# Altium PCB GSM_v2.PcbDoc (part 1 of 2) (continued)
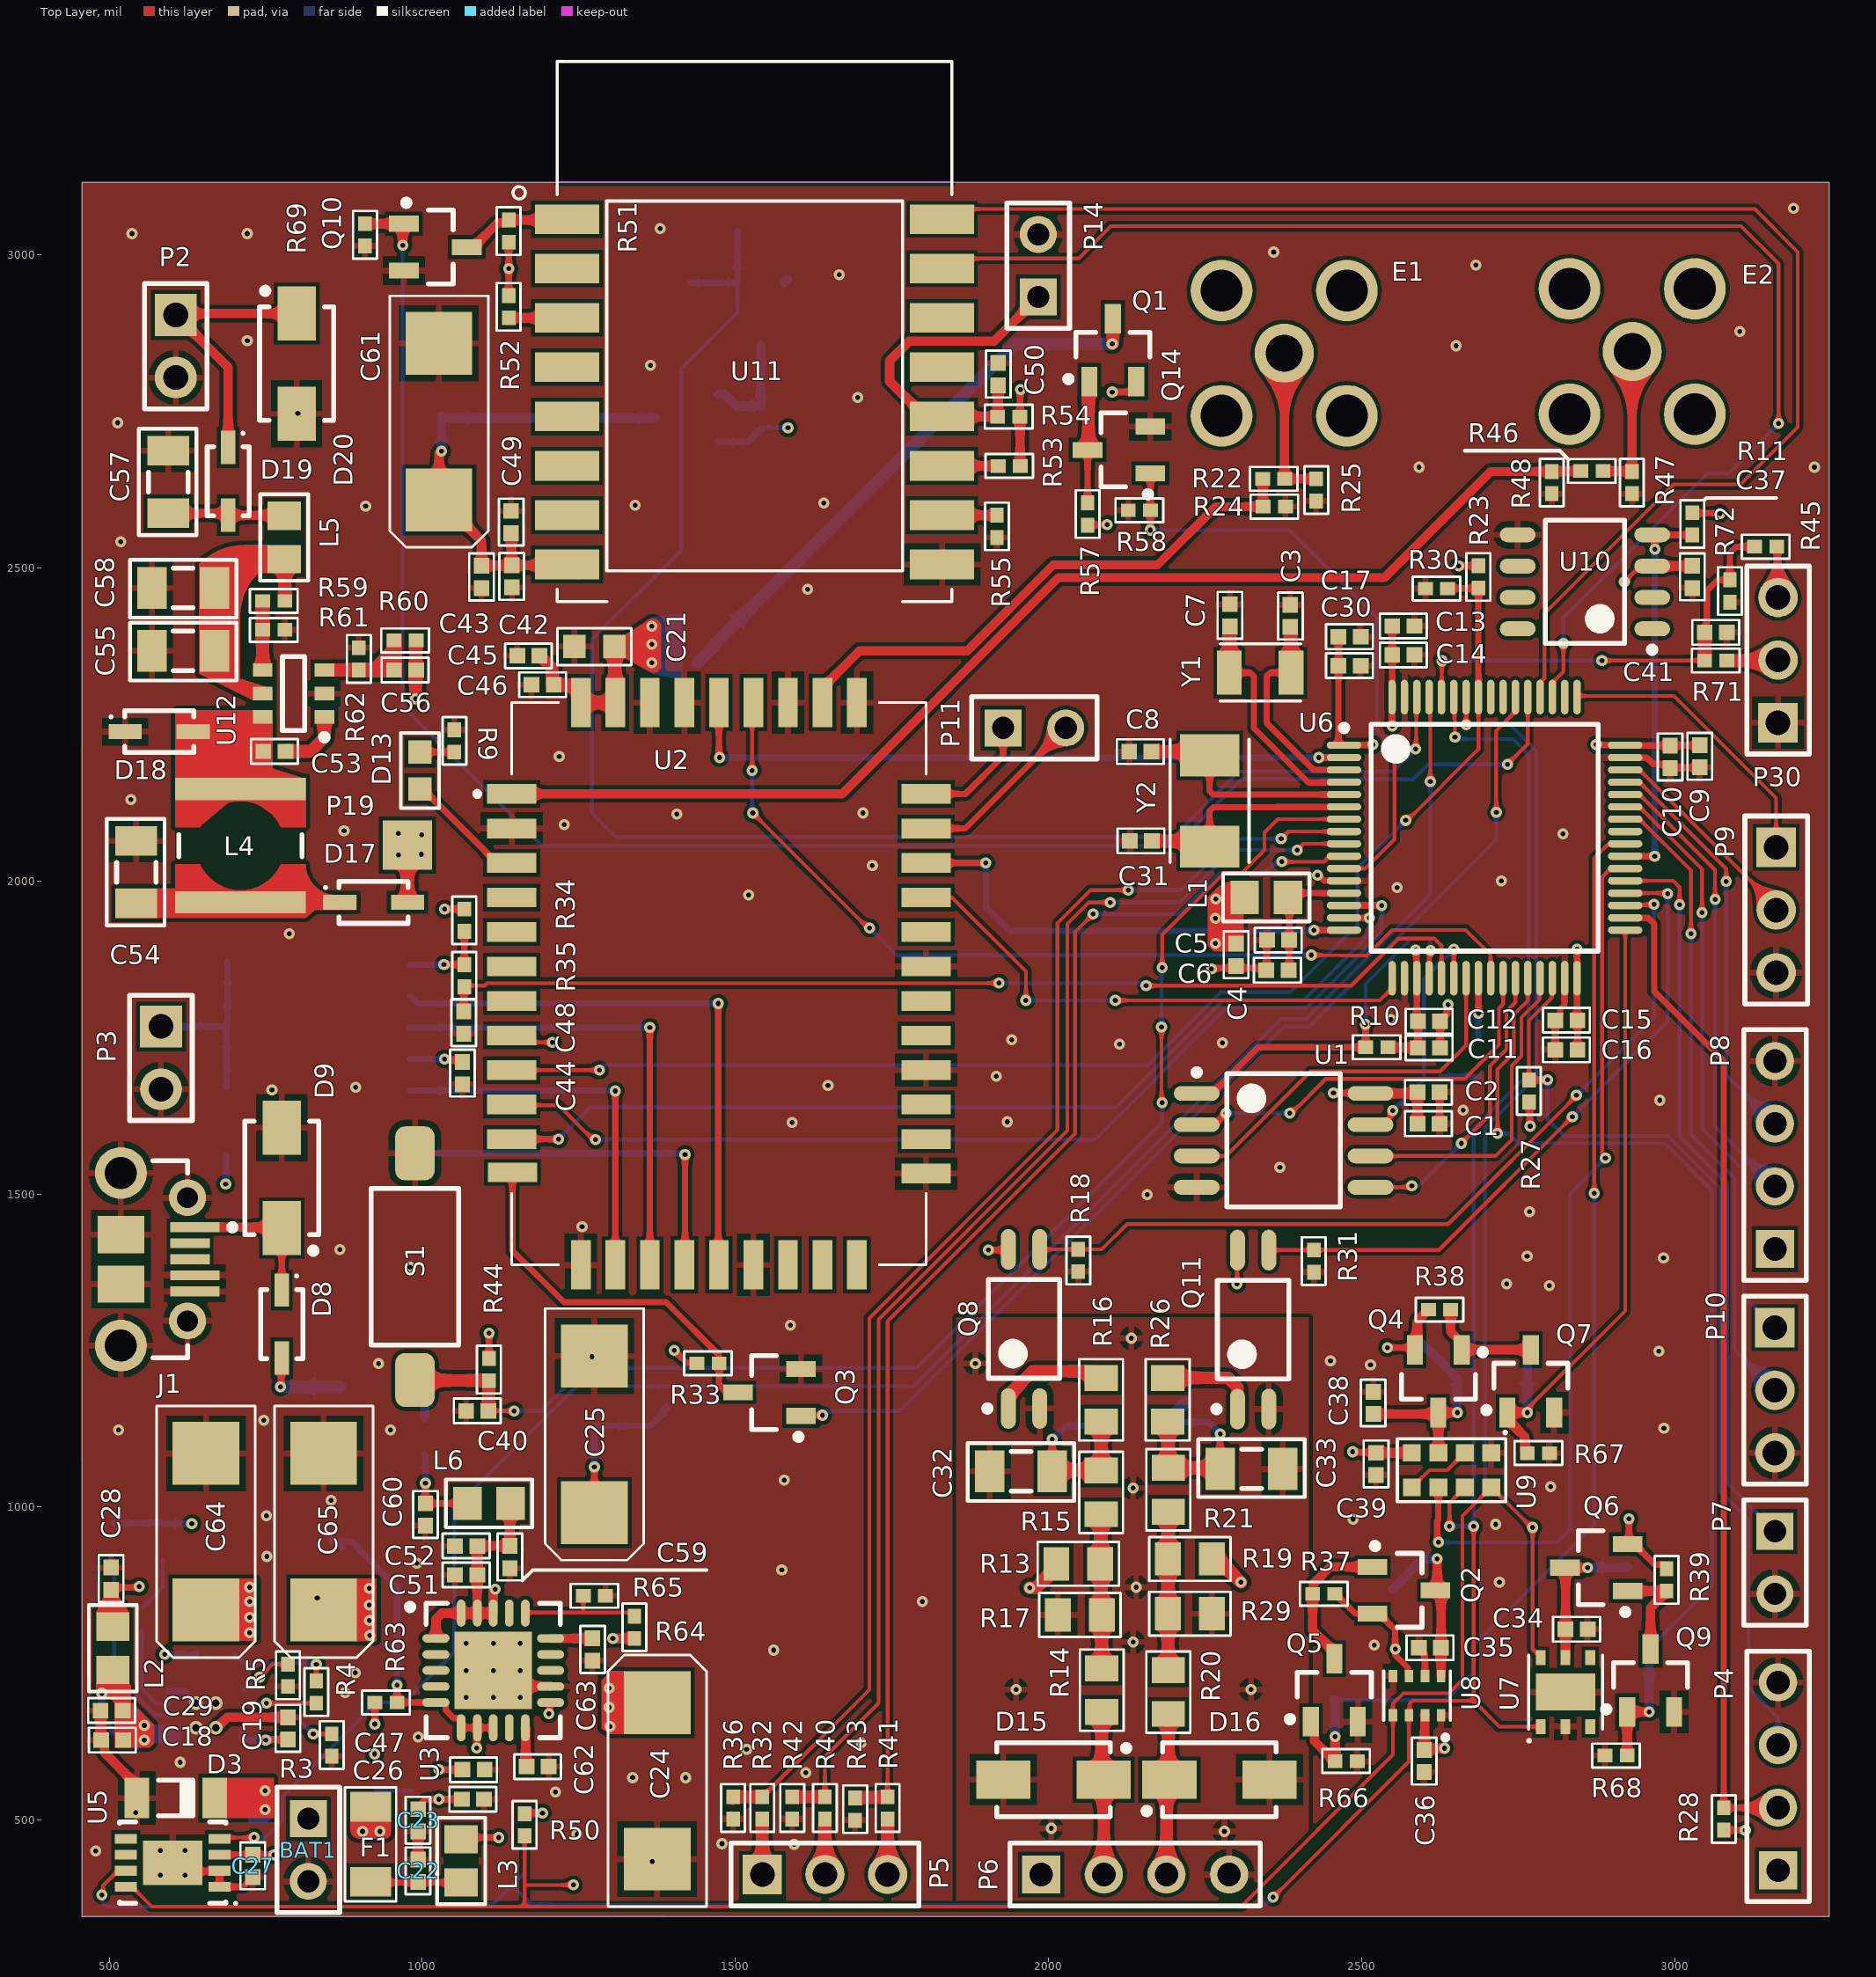
[diagram p0: Top Layer view]
## Components (designator, comment, footprint, x,y, rotation, side; value= is the part's Value field where it differs from the comment) (continued)
P26 "Plug" "pin smd" 2456.08,691.93 r270 bottom
P27 "Plug" "pin smd" 2764.09,1237.2 r0 bottom
P28 "Plug" "pin smd" 2958.66,774.61 r90 bottom
P29 "Plug" "pin smd" 1503.94,3037.4 r90 bottom
P30 "Header 3" HDR1X3 3164.37,2252.44 r90 top
Q1 "AO3401A" SOT23 2102.36,2848.43 r90 top
Q2 "AO3401A" SOT23 2568.28,867.13 r0 top
Q3 "AO3400A" SOT23 1553.15,1183.07 r180 top
Q4 "AO3401A" SOT23 2622.05,1200.09 r270 top
Q5 "AO3400A" SOT23 2456.08,708.66 r90 top
Q6 "AO3401A" SOT23 2873.31,903.43 r180 top
Q7 "AO3400A" SOT23 2769.69,1202.05 r90 top
Q8 "TLP291" SO4 1960.63,1284.45 r90 top
Q9 "AO3400A" SOT23 2960.91,724.3 r90 top
Q10 "AO3400A" SOT23 1021.65,3011.81 r0 top
Q11 "TLP291" SO4 2326.38,1283.46 r90 top
Q12 "AO3401A" SOT23 1421.26,2739.17 r180 bottom
Q13 "AO3400A" SOT23 1540.35,2903.54 r270 bottom
Q14 "AO3400A" SOT23 2111.22,2687.99 r180 top
R1 "Res_470R" R0402 507.87,819.88 r90 bottom value=470R
R2 "Res_470R" R0402 552.17,820.87 r90 bottom value=470R
R3 "Res_10K" R0402 855.32,620.08 r270 top value=10K
R4 "Res_470R" R0402 830.71,704.72 r90 top value=470R
R5 "Res_3K3" R0402 785.43,731.3 r270 top value=3K3
R6 "Res_10K" R0402 1388.78,1175.2 r270 bottom value=10K
R7 "Res_220R" R0402 983.27,564.96 r270 bottom value=220R
R8 "Res_220R" R0402 1003.94,1208.66 r270 bottom value=220R
R9 "Res_220R" R0402 1051.18,2223.43 r270 top value=220R
R10 "Res_4k7" R0402 2523.62,1734.25 r0 top value=4k7
R11 "Res_4k7" R0402 3027.56,2569.88 r270 top value=4k7
R12 "Res_220R" R0402 2626.97,1704.72 r270 bottom value=220R
R13 "Res_4k7" R0805 2047.24,909.45 r180 top value=4k7
R14 "Res_100R" R0805 2084.65,707.68 r90 top value=100R
R15 "Res_100R" R0805 2083.66,1023.62 r90 top value=100R
R16 "Res_1K2" R0805 2083.66,1171.26 r90 top value=1K2
R17 "Res_4k7" R0805 2049.65,827.76 r0 top value=4k7
R18 "Res_4k7" R0402 2047.24,1393.7 r90 top value=4k7
R19 "Res_4k7" R0805 2225.39,917.32 r0 top value=4k7
R20 "Res_100R" R0805 2190.94,704.72 r90 top value=100R
R21 "Res_100R" R0805 2190.94,1027.56 r90 top value=100R
R22 "Res_0R" R0402 2359.25,2641.73 r0 top value=0R
R23 "Res_4k7" R0402 2686.02,2485.24 r90 top value=4k7
R24 "Res_0R" R0402 2360.24,2597.44 r180 top value=0R
R25 "Res_0R" R0402 2427.17,2624.02 r90 top value=0R
R26 "Res_1K2" R0805 2189.96,1171.26 r90 top value=1K2
R27 "Res_4k7" R0402 2766.73,1664.37 r270 top value=4k7
R28 "Res_4k7" R0402 3077.76,501.97 r270 top value=4k7
R29 "Res_4k7" R0805 2225.39,829.72 r180 top value=4k7
R30 "Res_4k7" R0402 2619.09,2466.54 r0 top value=4k7
R31 "Res_4k7" R0402 2423.23,1392.72 r90 top value=4k7
R32 "Res_10K" R0402 1542.72,519.69 r270 top value=10K
R33 "Res_1K" R0402 1455.95,1229.64 r180 top value=1K
R34 "Res_10K" R0402 1066.93,1937.01 r90 top value=10K
R35 "Res_1K" R0402 1066.93,1848.43 r270 top value=1K
R36 "Res_10K" R0402 1496.06,519.68 r90 top value=10K
R37 "Res_1K" R0402 2439.07,861.54 r0 top value=1K
R38 "Res_1K" R0402 2624.02,1315.24 r180 top value=1K
R39 "Res_1K" R0402 2986.5,883.75 r90 top value=1K
R40 "Res_10K" R0402 1642.72,519.68 r270 top value=10K
R41 "Res_10K" R0402 1742.72,519.69 r270 top value=10K
R42 "Res_10K" R0402 1590.55,519.68 r90 top value=10K
R43 "Res_10K" R0402 1690.94,517.72 r90 top value=10K
R44 "Res_10K" R0402 1106.3,1219.49 r90 top value=10K
R45 "Res_10K" R0402 3144.68,2533.46 r0 top value=10K
R46 "Res_0R" R0402 2867.13,2654.53 r0 top value=0R
R47 "Res_0R" R0402 2931.1,2635.83 r90 top value=0R
R48 "Res_0R" R0402 2803.15,2635.83 r90 top value=0R
R49 "Res_4k7" R0402 1163.39,492.13 r90 bottom value=4k7
R50 "Res_4k7" R0402 1163.15,492.72 r90 top value=4k7
R51 "Res_1K" R0402 1137.85,3037.35 r270 top value=1K
R52 "Res_10K" R0402 1137.85,2916.52 r90 top value=10K
R53 "Res_10K" R0402 1937.07,2662.4 r0 top value=10K
R54 "Res_10K" R0402 1936.08,2741.14 r0 top value=10K
R55 "Res_10K" R0402 1917.38,2565.95 r90 top value=10K
R56 "Res_1K" R0402 1540.35,2740.16 r270 bottom value=1K
R57 "Res_1K" R0402 2062.01,2585.63 r270 top value=1K
R58 "Res_10K" R0402 2144.68,2591.54 r0 top value=10K
R59 "Res_43K" R0402 762.8,2446.85 r0 top value=43K
R60 "Res_124K" R0402 972.44,2383.86 r0 top value=124K
R61 "Res_10K" R0402 762.8,2400.59 r180 top value=10K
R62 "Res_24K" R0402 898.62,2354.33 r270 top value=24K
R63 "Res_0R" R0402 941.93,687.99 r0 top value=0R
R64 "Res_3K57" R0402 1338.58,808.07 r270 top value=3K57
R65 "Res_1K15" R0402 1274.61,858.27 r180 top value=1K15
R66 "Res_10K" R0402 2474.78,594.49 r180 top value=10K
R67 "Res_10K" R0402 2781.81,1086.19 r180 top value=10K
R68 "Res_10K" R0402 2905.79,603.23 r0 top value=10K
R69 "Res_10K" R0402 908.46,3031.5 r90 top value=10K
R70 "Res_10K" R0402 1428.15,2937.01 r90 bottom value=10K
R71 "Res_220R" R0402 3064.96,2351.75 r180 top value=220R
R72 "Res_10K" R0402 3087.6,2462.68 r90 top value=10K
S1 "switch" "TACK SWITCH 2-PAD" 988.19,1383.86 r0 top
U1 "W25Q128JVSIQ" SOIC8_208-mil 2375,1585.63 r0 top
U2 "Aithinker GSMA7" A7 1463.58,1835.63 r90 top
U3 "TPS74401" PVQFN20 1113.19,739.17 r0 top
U4 "MCP73833" "DFN 3x3" 654.53,667.32 r0 bottom
U5 "LC709203F" WDFN8 601.38,432.09 r180 top
U6 "STM32L552RCT6" LQFP64 2695.87,2068.9 r0 top
U7 "SHT20" DFN6 2825.09,704.61 r90 top
U8 "BMP280" LGA8 2587.97,698.82 r270 top
U9 "VCNL4040" VCNL4040M3OE 2643.21,1059.06 r270 top
U10 "DS18B20" SO8 2856.1,2477.44 r180 top
U11 "ESP-07" ESP-07 1530.51,2780.69 r0 top
U12 "MP2451" SOT23-6 794.29,2299.21 r180 top
Y1 "XTAL 32.768KHz" XTAL_FC-13A 2337.71,2332.37 r0 top value=8MHz
Y2 "XTAL 8MHz crystal" XTAL500X320X120 2256.89,2127.56 r90 top value=8MHz

## Footprints (in the part's own frame and the unit in brackets; to place one, negate y for a bottom-side part, rotate by r counter-clockwise, add the part's x,y. Pads: shape width x height; smd on the part's side, far side on the other; paste and mask are expansions set on the pad)
0603LedRed [mm] "Chip Led 2-Leads, Body 1,60x0,85mm, IPC Medium Density"
  rect 0.95x0.95 smd: 1(-0.75,0) 2(0.75,0)
  silkscreen extent -1.53,-0.77 1.53,0.77, body extent -0.85,-1.1 0.85,0.45, height 0.9
0805FerriteBead [mm] "Chip Ferrite Bead, 2-Leads, Body 2,00x1,25mm, IPC Medium Density"
  rect 1.15x1.35 smd: 1(-0.875,0) 2(0.875,0)
  silkscreen extent -1.75,-0.98 1.75,0.98, body extent -1,-0.6 1,0.6, height 0.92
A7 [mm]
  rect 0.8x2 smd: 1(7.7,8.15) 2(6.3,8.15) 3(4.9,8.15) 4(3.5,8.15) 5(2.1,8.15) 6(0.7,8.15) 7(-0.7,8.15) 8(-2.1,8.15) 9(-3.5,8.15) 10(-4.9,8.15) 11(-6.3,8.15) 12(-7.65,8.125) 22(-7.7,-8.65) 23(-6.3,-8.65) 24(-4.9,-8.65) 25(-3.5,-8.65) 26(-2.1,-8.65) 27(-0.7,-8.65) 28(0.7,-8.65) 29(2.1,-8.65) 30(3.5,-8.65) 31(4.9,-8.65) 32(6.3,-8.65) 33(7.7,-8.65)
  rect 2x0.8 smd: 13(-11.4,5.35) 14(-11.4,3.95) 15(-11.4,2.55) 16(-11.4,1.15) 17(-11.4,-0.25) 18(-11.4,-1.65) 19(-11.4,-3.05) 20(-11.4,-4.45) 21(-11.4,-5.85) 34(11.4,-5.85) 35(11.4,-4.45) 36(11.4,-3.05) 37(11.4,-1.65) 38(11.4,-0.25) 39(11.4,1.15) 40(11.4,2.55) 41(11.4,3.95) 42(11.4,5.35)
  silkscreen extent -11.4,-8.65 11.4,9.65, body extent -11.38,-8.65 11.42,8.15, height 3.21
C0402 [mm] "Chip Capacitor, 2-Leads, Body 1,00x0,50mm, IPC Medium Density"
  rect 0.64x0.62 smd: 1(-0.45,0) 2(0.45,0)
  silkscreen extent -0.95,-0.5 0.95,0.5, body extent -0.55,-0.28 0.55,0.28, height 0.4
C0603 [mm] "Chip Capacitor, 2-Leads, Body 1,60x0,80mm, IPC Medium Density"
  rect 0.9x0.95 smd: 1(-0.813,0) 2(0.813,0)
  silkscreen extent -1.5,-0.75 1.5,0.75, body extent -0.85,-0.45 0.85,0.45, height 0.5
C1206 [mm] "Chip Capacitor, 2-Leads, Body 3,20x1,60mm, IPC Medium Density"
  rect 1.2x1.7 smd: 1(-1.27,0) 2(1.27,0)
  silkscreen extent -2.16,-1.2 2.16,1.14, body extent -1.6,-1.75 1.6,0.8, height 1
CAP-D [mm]
  rect 2.55x2.7 smd: 1(-3.175,0) 2(3.175,0)
  silkscreen extent -5.1,-2 5.1,2, body extent -3.7,-2.22 3.7,2.23, height 3.01
DFN6 [mm]
  rect 0.6x0.4 smd: 1(-1.4,1) 2(-1.4,0) 3(-1.4,-1) 4(1.4,-1) 5(1.4,0) 6(1.4,1)
  rect 1.5x2.4 smd: 7(0,0)
  silkscreen extent -2.02,-1.5 1.5,1.52, body extent -1.51,-1.5 1.51,1.5, height 1.1
"DFN 3x3" [mm] "SON, 10-Leads, Body 3,00x3,00mm, Pitch 0,50mm, Thermal Pad 2,38x1,55mm, IPC Medium Density"
  rect 0.95x0.25 smd: 1(-1.5,1) 2(-1.5,0.5) 3(-1.5,0) 4(-1.5,-0.5) 5(-1.5,-1) 6(1.5,-1) 7(1.5,-0.5) 8(1.5,0) 9(1.5,0.5) 10(1.5,1)
  rect 1.55x2.38 smd: 11(0,0)
  silkscreen extent -2.69,-1.65 1.65,1.83, body extent -1.58,-1.58 1.58,1.58, height 1
ESP-07 [mm]
  rect 2.6x1.2 smd: 1(-7.6,7) 2(-7.6,5) 3(-7.6,3) 4(-7.6,1) 5(-7.6,-1) 6(-7.6,-3) 7(-7.6,-5) 8(-7.6,-7) 9(7.6,-7) 10(7.6,-5) 11(7.6,-3) 12(7.6,-1) 13(7.6,1) 14(7.6,3) 15(7.6,5) 16(7.6,7)
  Keep-Out Layer region: -8.009,13.35 8,13.35 8,8.51 -8.009,8.51
  silkscreen extent -9.8,-8.5 8,13.4, body extent -8.01,-8.66 8,13.34, height 3.5
HDR1X2 [mm] "Connector; Header; 2 Position"
  rect 1.5x1.5 hole 0.9: 1(0,0)
  round 1.5 hole 0.9: 2(2.54,0)
  silkscreen extent -1.27,-1.27 3.81,1.27, body extent -1.27,-1.27 3.81,1.27, height 6.04
HDR1x2_screw [mm] "Connector; Header; 2 Position"
  rect 1.7x1.7 hole 1: 1(0,0)
  round 1.7 hole 1: 2(2.54,0)
  silkscreen extent -1.27,-1.27 3.81,1.27, body extent -1.49,-3.13 4.05,3.08, height 8.5
HDR1X3 [mm] "Connector; Header; 3 Position"
  rect 1.6x1.6 hole 1: 1(0,0)
  round 1.6 hole 1: 2(2.54,0) 3(5.08,0)
  silkscreen extent -1.27,-1.27 6.35,1.27, body extent -1.28,-1.25 6.34,1.24, height 8.54
HDR1X4 [mm] "Connector; Header; 4 Position"
  rect 1.55x1.55 hole 0.95: 1(0,0)
  round 1.55 hole 0.95: 2(2.54,0) 3(5.08,0) 4(7.62,0)
  silkscreen extent -1.27,-1.27 8.89,1.27, body extent -1.27,-1.24 8.89,1.25, height 8.54
LGA8 [mm]
  rect 0.5x0.35 smd: 1(0.8,0.975) 2(0.8,0.325) 3(0.8,-0.325) 4(0.8,-0.975) 5(-0.8,-0.975) 6(-0.8,-0.325) 7(-0.8,0.325) 8(-0.8,0.975)
  silkscreen extent -1,-1.35 1.79,1.35, body extent -1,-1.25 1,1.25, height 1
LQFP64 [mm] "LQFP, 64-Leads, Body 10,00x10,00mm, Pitch 0,50mm, IPC Medium Density"
  oval 1.4x0.3 smd: 1(-5.7,3.75) 2(-5.7,3.25) 3(-5.7,2.75) 4(-5.7,2.25) 5(-5.7,1.75) 6(-5.7,1.25) 7(-5.7,0.75) 8(-5.7,0.25) 9(-5.7,-0.25) 10(-5.7,-0.75) 11(-5.7,-1.25) 12(-5.7,-1.75) 13(-5.7,-2.25) 14(-5.7,-2.75) 15(-5.7,-3.25) 16(-5.7,-3.75) 33(5.7,-3.75) 34(5.7,-3.25) 35(5.7,-2.75) 36(5.7,-2.25) 37(5.7,-1.75) 38(5.7,-1.25) 39(5.7,-0.75) 40(5.7,-0.25) 41(5.7,0.25) 42(5.7,0.75) 43(5.7,1.25) 44(5.7,1.75) 45(5.7,2.25) 46(5.7,2.75) 47(5.7,3.25) 48(5.7,3.75)
  oval 0.3x1.4 smd: 17(-3.75,-5.7) 18(-3.25,-5.7) 19(-2.75,-5.7) 20(-2.25,-5.7) 21(-1.75,-5.7) 22(-1.25,-5.7) 23(-0.75,-5.7) 24(-0.25,-5.7) 25(0.25,-5.7) 26(0.75,-5.7) 27(1.25,-5.7) 28(1.75,-5.7) 29(2.25,-5.7) 30(2.75,-5.7) 31(3.25,-5.7) 32(3.75,-5.7) 49(3.75,5.7) 50(3.25,5.7) 51(2.75,5.7) 52(2.25,5.7) 53(1.75,5.7) 54(1.25,5.7) 55(0.75,5.7) 56(0.25,5.7) 57(-0.25,5.7) 58(-0.75,5.7) 59(-1.25,5.7) 60(-1.75,5.7) 61(-2.25,5.7) 62(-2.75,5.7) 63(-3.25,5.7) 64(-3.75,5.7)
  silkscreen extent -5.82,-4.6 4.6,4.6, body extent -5.99,-6.01 6.01,5.99, height 1.6
MicroUSB [mm]
  rect 0.4x2 smd paste+0 mask+0: 1(-1.3,2.7) 4(0.65,2.7) 5(1.3,2.7)
  rect 0.4x1.6 smd paste+0 mask+0: 2(-0.65,2.51) 3(0,2.51)
  round 1.5 hole 0.85 paste-1000 mask+0: 6(-2.5,2.4) 7(2.5,2.4)
  round 2.1 hole 1.3 paste-1000 mask+0: 8(-3.5,-0.3) 11(3.5,-0.3)
  rect 1.5x1.9 smd paste+0 mask+0: 9(-1,-0.3) 10(1,-0.3)
  silkscreen extent -4,1 4,4.34, body extent -4.1,-2.8 4.1,2.63, height 2.68
miniMELF [mm] "MELF Diode, 2-Leads, Body 3,50x1,50mm, IPC High Density"
  rect 1x1.65 smd: 1(-1.575,0) 2(1.575,0)
  silkscreen extent -0.7,-0.72 0.7,0.72, body extent -1.82,-0.8 1.88,0.8, height 1.6
"pin smd" [mm] "Chip Resistor, 2-Leads, Body 1,60x0,80mm, IPC Medium Density"
  rect 2x2 smd: 1(0,0)
PVQFN20 [mm] "QFN, 20-Leads, Body 5,00x5,00mm, Pitch 0,65mm, Thermal Pad 3,15x3,15mm, IPC Medium Density"
  oval 1.1x0.35 smd: 1(-2.325,1.3) 2(-2.325,0.65) 3(-2.325,0) 4(-2.325,-0.65) 5(-2.325,-1.3) 11(2.325,-1.3) 12(2.325,-0.65) 13(2.325,0) 14(2.325,0.65) 15(2.325,1.3)
  oval 0.35x1.1 smd: 6(-1.3,-2.325) 7(-0.65,-2.325) 8(0,-2.325) 9(0.65,-2.325) 10(1.3,-2.325) 16(1.3,2.325) 17(0.65,2.325) 18(0,2.325) 19(-0.65,2.325) 20(-1.3,2.325)
  rect 3.15x3.15 smd: 21(0,0)
  silkscreen extent -3.5,-2.73 2.73,2.72, body extent -2.5,-2.5 2.5,2.5, height 0.92
R0402 [mm] "Chip Resistor, 2-Leads, Body 1,00x0,50mm, IPC Medium Density"
  rect 0.6x0.55 smd: 1(-0.45,0) 2(0.45,0)
  silkscreen extent -0.97,-0.48 0.97,0.48, body extent -0.52,-0.3 0.52,0.3, height 0.34
R0805 [mm] "Chip Resistor, 2-Leads, Body 2,00x1,25mm, IPC Medium Density"
  rect 1.05x1.35 smd: 1(-0.889,0) 2(0.889,0)
  silkscreen extent -1.65,-0.89 1.65,0.89, body extent -1.15,-0.67 1.15,0.68, height 0.76
R1206 [mm] "Chip Resistor, 2-Leads, Body 3,15x1,55mm, IPC Medium Density"
  rect 1.2x1.65 smd: 1(-1.524,0) 2(1.524,0)
  silkscreen extent -2.31,-1.04 2.31,1.04, body extent -1.67,-0.86 1.68,0.87, height 0.85
"SIM TRAY" [mm] "47553-0001 MOLEX SIM TRAY"
  rect 2.3x1 smd: 1(1.25,-0.6) 2(1.25,-1.875) 3(1.25,-3.15) 4(1.25,-4.425) 5(1.25,-5.7) 6(1.25,-6.975) 7(1.25,-8.25) 8(1.25,-9.525)
  body extent 0.4,-14 26.9,6.95, height 1.94
SMA [mm] "Molded Diode, 2-Leads, Body 4,28x2,60mm, IPC High Density"
  rect 2.2x1.55 smd: 1(-2.032,0) 2(2.032,0)
  silkscreen extent -2.3,-1.5 3.08,1.5, body extent -2.6,-1.3 2.6,1.3, height 2.45
"SMA connector" [mm] "SMA antena connector"
  round 2.4 hole 1.5: 1(0,0)
  round 2.5 hole 1.7: ""(-2.54,-2.54) ""(-2.54,2.54) ""(2.54,-2.54) ""(2.54,2.54)
  body extent -3.5,-3.5 3.5,3.5, height 9.63
SO4 [mm]
  oval 1.65x0.6 smd: 1(-3.225,0.635) 2(-3.225,-0.635) 3(3.225,-0.635) 4(3.225,0.635)
  silkscreen extent -3.35,-1.45 2,1.61, body extent -3.5,-1.3 3.5,1.3, height 2.1
SO8 [mm] "SO8 8-Leads, Body 4,90x3,90mm, Pitch 1,27mm, IPC Medium Density"
  oval 1.45x0.6 smd: 1(-2.725,1.905) 2(-2.725,0.635) 3(-2.725,-0.635) 4(-2.725,-1.905) 5(2.725,-1.905) 6(2.725,-0.635) 7(2.725,0.635) 8(2.725,1.905)
  silkscreen extent -2.85,-2.5 1.6,2.88, body extent -3.02,-2.45 2.98,2.45, height 1.75
SOD-123A [mm] "SOD-123A, 2-Leads, Body 1,60x3,70mm, IPC High Density"
  rect 1.35x0.6 smd: 1(-1.375,0) 2(1.375,0)
  silkscreen extent -2,-0.85 1.4,0.85, body extent -1.93,-0.85 1.92,0.85, height 1.42
SOIC8_208-mil [mm]
  oval 1.85x0.6 smd: 1(-3.525,1.905) 2(-3.525,0.635) 3(-3.525,-0.635) 4(-3.525,-1.905) 5(3.525,-1.905) 6(3.525,-0.635) 7(3.525,0.635) 8(3.525,1.905)
  silkscreen extent -3.65,-2.7 2.3,2.88, body extent -4.08,-2.7 4.12,2.7, height 2.15
SOT23 [mm] "SOT23, 3-Leads, Body 2,90x2,45mm, Pitch 0,95mm, IPC Medium Density"
  rect 1.2x0.65 smd: 1(-1.3,0.95) 2(-1.3,-0.95) 3(1.25,0)
  silkscreen extent -1.32,-1.5 0.7,1.92, body extent -1.3,-1.5 1.3,1.5, height 1.1
SOT23-6 [mm] "SOT23, 6-Leads, Body 2,90x2,80mm, Pitch 0,95mm, IPC High Density"
  rect 0.8x0.55 smd: 1(-1.25,0.95) 2(-1.25,0) 3(-1.25,-0.95) 4(1.25,-0.95) 5(1.25,0) 6(1.25,0.95)
  silkscreen extent -1.38,-1.5 0.45,1.9, body extent -1.4,-1.45 1.4,1.45, height 1.45
"TACK SWITCH 2-PAD" [mm]
  rrect50% 1.6x2.19 smd: 1(0,4.595) 2(0,-4.595)
  silkscreen extent -1.78,-3.18 1.78,3.17, body extent -1.75,-4.98 1.75,4.98, height 4.42
VCNL4040M3OE [mm]
  rect 0.7x0.725 smd: 1(-0.7,1.613) 2(-0.7,0.537) 3(-0.7,-0.537) 4(-0.7,-1.612) 5(0.7,-1.613) 6(0.7,-0.537) 7(0.7,0.538) 8(0.7,1.613)
  silkscreen extent -1.57,-2.2 1.28,2.22, body extent -1,-2 1,2, height 1.1
WDFN8 [mm] "WDFN8 , 8-Leads, Body 3,00x4,00mm, Pitch 0,65mm, Thermal Pad 1,80x2,40mm, IPC Low Density"
  rect 0.9x0.4 smd: 1(-1.9,0.975) 2(-1.9,0.325) 3(-1.9,-0.325) 4(-1.9,-0.975) 5(1.9,-0.975) 6(1.9,-0.325) 7(1.9,0.325) 8(1.9,0.975)
  rect 2.4x1.8 smd: 9(0,0)
  silkscreen extent -2.6,-1.65 2.15,1.7, body extent -2,-1.5 2,1.5, height 0.8
WE-TPC_4828 [mm] "Power Inductor, SMD, 2-Leads, body 4.8x4.8mm"
  rect 5.3x0.9 smd paste-403.566 mask-403.566: 1(0,2.3) 2(0,-2.3)
  Top Layer region: -2.65,0.75 -1.636,0.75 -1.636,0.75 -1.138,1.394 -0.407,1.753 0.407,1.753 1.138,1.394 1.636,0.75 1.636,0.75 2.65,0.75 2.65,0.75 2.65,2.75 -2.65,2.75
  Top Layer region: 2.65,-0.75 1.636,-0.75 1.636,-0.75 1.138,-1.394 0.407,-1.753 -0.407,-1.753 -1.138,-1.394 -1.636,-0.75 -1.636,-0.75 -2.65,-0.75 -2.65,-0.75 -2.65,-2.75 2.65,-2.75
  silkscreen extent -2.5,-0.45 2.5,0.45, body extent -2.4,-2.4 2.4,2.4, height 2.8
XTAL500X320X120 [mm]
  rect 1.7x2.4 smd: 1(-1.85,0) 2(1.85,0)
  silkscreen extent -2.5,-1.6 2.5,1.6, body extent -2.5,-1.58 2.5,1.62, height 1.25
XTAL_FC-13A [mm]
  rect 1x1.8 smd: 1(-1.25,0) 2(1.25,0)
  silkscreen extent -1.63,-1.15 1.65,1.17, body extent -1.6,-0.7 1.6,0.8, height 0.8

## Part data
BAT1 P2 P3 P7 P11 P14: "Header, 2-Pin", LatestRevisionDate=17-Jul-2002, LatestRevisionNote="Re-released for DXP Platform.", Publisher="Altium Limited"
C1 C2 C3 C4 C5 C6 C7 C8 C9 C10 C11 C12 C13 C14 C15 C16 C17 C18 C19 C21 C22 C23 C26 C27 C28 C29 C30 C31 C32 C33 C34 C35 C36 C37 C38 C39 C40 C41 C42 C43 C44 C45 C46 C47 C48 C49 C50 C51 C52 C53 C54 C55 C56 C57 C58 C59 C60 C62 C63: "Capacitor"
C20 C24 C25 C61 C64 C65: "Polarized Tantalum Capacitor"
D1 D9 D12 D15 D16 D20: library part TVS_bidirectional, "SMAJ40CA", ComponentLink1Description=datasheet, ComponentLink1URL=https://datasheet.lcsc.com/szlcsc/1912111437_Jiangsu-JieJie-Microelectronics-SMAJ40CA_C364660.pdf, LatestRevisionDate=17-Jul-2002, LatestRevisionNote="Re-released for DXP Platform.", PackageDescription="Diode, Thru-Hole; 2 Leads; 0.7 in Pin Spacing", PackageReference=DIODE-0.7, Published=8-Jun-2000, Publisher="Altium Limited"
D2 D4 D5 D6 D7 D13 D14: "Typical RED GaAs LED", LatestRevisionDate=08-Jul-2005, LatestRevisionNote="Mech Layer 1 removed.", PackageDescription="LED; 2 Leads", PackageReference=LED-1, Published=8-Jun-2000, Publisher="Altium Limited"
D3 D11: library part "Diode Zener", ComponentLink1Description=farnell, ComponentLink1URL=https://pl.farnell.com/on-semiconductor/mm3z5v6st1g/zener-diode-5-6v-sod-323/dp/2463484, LatestRevisionDate=17-Jul-2002, LatestRevisionNote="Re-released for DXP Platform.", PackageDescription="Diode, Thru-Hole; 2 Leads; 0.7 in Pin Spacing", PackageReference=DIODE-0.7, Published=8-Jun-2000, Publisher="Altium Limited"
D8 D10 D18 D19: library part "Diode Schottky", "Schottky Rectifier", ComponentLink1Description=octopart, ComponentLink1URL=https://octopart.com/rb161mm-20tr-rohm-50255147?r=sp&s=49MKJYpmTviEGZkvRDL2JQ, DatasheetVersion=Dec-1997, LatestRevisionDate=17-Jul-2002, LatestRevisionNote="Re-released for DXP Platform.", Note="Terminal 2 is the TAB and is electrically connected to the cathode", PackageDescription="TO, Thru-Hole, Vertical, Heatsink Mounted; 3 In-Line Leads (1 Absent); Pitch 2.54 mm", PackageReference=TO-220AC, PackageVersion=Feb-1998, Published=8-Jun-2000, Publisher="Altium Limited"
D17: "Schottky Diode", Code_JEDEC=DO-214-AA, LatestRevisionDate=17-Jul-2002, LatestRevisionNote="Re-released for DXP Platform.", PackageDescription="DO-214-AA/SMB; 2 C-Bend Leads; Body 5.3 x 3.6 mm, inc. leads (LxW)", PackageReference=SMB, Published=8-Jun-2000, Publisher="Altium Limited"
E1 E2: "Generic Antenna", ComponentLink1Description=tme, ComponentLink1URL=https://www.tme.eu/pl/details/rf2-19a-t-00-50-g/zlacza-sma-smb-smc/adam-tech/, LatestRevisionDate=17-Jul-2002, LatestRevisionNote="Re-released for DXP Platform.", PackageReference=PIN1, Published=24-Mar-1999, Publisher="Altium Limited"
F1: library part Fuse_2A, "Fuse / 2850030", ComponentLink1Description=farnell, ComponentLink1URL=https://pl.farnell.com/multicomp/mccfb1206ttt-2/fuse-smd-2a-slow-blow-1206/dp/2850030, LatestRevisionDate=17-Jul-2002, LatestRevisionNote="Re-released for DXP Platform.", PackageDescription="Thru-Hole; 2 Leads", PackageReference=PIN-W2/E2.8, Published=8-Jun-2000, Publisher="Altium Limited"
L1 L2 L3 L5 L6: library part "Ferrite bead 120R", "Ferrite bead", ComponentLink1Description="Ferrite bead TDK MMZ2012Y300B", ComponentLink1URL=https://www.tme.eu/pl/details/mmz2012y300b/ferryty-koraliki/tdk/, LatestRevisionDate=17-Jul-2002, LatestRevisionNote="Re-released for DXP Platform.", PackageDescription="Axial Device, Thru-Hole; 2 Leads; 0.9 in Pin Spacing", PackageReference=AXIAL-0.9, Published=24-Mar-1999, Publisher="Altium Limited"
L4: "WE 744 043 180", Code_IEC=1005, Code_JEITA=0402, LatestRevisionDate=29-May-2009, LatestRevisionNote="IPC-7351 Footprint Added.", PackageDescription="Chip Inductor", PackageReference=0402-A, Published=8-Jun-2000, Publisher="Altium Limited"
P1: "SIM card connector", ComponentLink1Description=tme, ComponentLink1URL=https://www.tme.eu/pl/details/mx-47553-0001/zlacza-do-kart/molex/47553-0001/, ComponentLink2Description=molex, ComponentLink2URL=https://www.molex.com/molex/products/part-detail/memory_card_socket/0475530001
P4 P6 P8: "Header, 4-Pin", LatestRevisionDate=17-Jul-2002, LatestRevisionNote="Re-released for DXP Platform.", Publisher="Altium Limited"
P5 P9 P10 P30: "Header, 3-Pin", LatestRevisionDate=17-Jul-2002, LatestRevisionNote="Re-released for DXP Platform.", Publisher="Altium Limited"
Q1 Q2 Q4 Q6 Q12: library part MOSFET-P, "P-Channel MOSFET AO3401A", ComponentLink1Description=datasheet, ComponentLink1URL=https://datasheet.lcsc.com/szlcsc/Alpha-Omega-Semicon-AOS-AO3401A_C15127.pdf, LatestRevisionDate=17-Jul-2002, LatestRevisionNote="Re-released for DXP Platform.", PackageDescription="TO, Flat Index; 3 In-Line, Axial Leads; Body Dia. 4.6mm; Lead Dia. 0.5 mm (max)", PackageReference=E3, PackageVersion=1995/1996, Published=8-Jun-2000, Publisher="Altium Limited"
Q3 Q5 Q7 Q9 Q10 Q13 Q14: library part MOSFET-N, "N-MOSFET AO3400A", ComponentLink1Description=datasheet, ComponentLink1URL=https://datasheet.lcsc.com/szlcsc/1908271131_Youtai-Semiconductor-Co-Ltd-AO3400A_C347475.pdf, LatestRevisionDate=17-Jul-2002, LatestRevisionNote="Re-released for DXP Platform.", PackageDescription="TO, Flat Index; 3 In-Line, Axial Leads; Body Dia. 4.6mm; Lead Dia. 0.5 mm (max)", PackageReference=E3, PackageVersion=1995/1996, Published=8-Jun-2000, Publisher="Altium Limited"
Q8 Q11: "OPTO  TLP291", ComponentLink1Description=datasheet, ComponentLink1URL=https://datasheet.lcsc.com/szlcsc/TOSHIBA-TLP291-GB-TP-SE-T_C55144.pdf
R1 R2 R3 R4 R5 R6 R7 R8 R9 R10 R11 R12 R13 R14 R15 R16 R17 R18 R19 R20 R21 R22 R23 R24 R25 R26 R27 R28 R29 R30 R31 R32 R33 R34 R35 R36 R37 R38 R39 R40 R41 R42 R43 R44 R45 R46 R47 R48 R49 R50 R51 R52 R53 R54 R55 R56 R57 R58 R59 R60 R61 R62 R63 R64 R65 R66 R67 R68 R69 R70 R71 R72: "Resistor"
S1: "Switch", LatestRevisionDate=17-Jul-2002, LatestRevisionNote="Re-released for DXP Platform.", PackageDescription="Switch; 2 Leads", PackageReference=SPST-2, Published=24-Mar-1999, Publisher="Altium Limited"
U1: library part flash_memory, "SPI Flash  memory 128MB", ComponentLink1Description=tme, ComponentLink1URL=https://datasheet.lcsc.com/szlcsc/Winbond-Elec-W25Q128JVSIQTR_C97521.pdf
U2: library part GSM_A7, "Aitkinker GSM A7 module", I/Os (High Current)=37, Manufacturer=STMicroelectronics, Operating Frequency(F) (Processor speed) (MHz)=32, PartNumber=STM32L152CCU6, Supply Voltage(Vcc) min (V)=1.65, Core="ARM Cortex-M3", D/A Converter="2x12-bit (2 Channel)", Data E2PROM nom (B)=8192, DatasheetVersion="Rev. 3", Display controller="LCD 4x18", FLASH Size (Prog) (kB)=256, Internal RAM Size (kB)=32, Mounting Technology="Surface Mount", PackageDescription="48-Pin Ultra Thin Fine Pitch Quad Flat No-Lead, 7 x 7 x 0.6 mm Body, 0.5 mm Pitch, Exposed Pad", PackageReference=UFQFPN48, PackageVersion="Rev. 1, 04/2013", Packing=Tray
U3: "Very Low Dropout Regulator", ComponentLink1Description=datasheet, ComponentLink1URL=https://datasheet.lcsc.com/szlcsc/Texas-Instruments-TI-TPS74401RGWR_C138728.pdf
U4: "Li-Ion, Li-Polymer Charge Management Controller", PartNumber=MCP73831T-2ATI/OT, Code_IPC=SOT23-5, ComponentLink1Description=octopart, ComponentLink1URL=https://octopart.com/mcp73833-fci%2Fmf-microchip-664198?r=sp&s=e45vLxEIQu2vH537JitsJQ, DatasheetVersion="revE, Sep-2008", PackageDescription="5-Lead Plastic Small Outline Transistor (OT) [SOT-23]", PackageReference=SOT-23-OT5, PackageVersion="revBB, Aug-2009"
U5: "Smart LiB GaugeBattery Fuel Gauge LSI For 1-Cell Lithium-ion/Polymer (Li+)", ComponentLink1Description=Datasheet, ComponentLink1URL=https://www.onsemi.com/pub/Collateral/LC709203F-D.PDF
U6: "Arm Cortex-M33 with Trust Zone, MCU 110 MHz with 512K Flash 256K Ram memory LQFP64", I/Os (High Current)=37, Manufacturer=STMicroelectronics, Operating Frequency(F) (Processor speed) (MHz)=32, PartNumber=STM32L152CCU6, Supply Voltage(Vcc) min (V)=1.65, ComponentLink2Description=Mouser, ComponentLink2URL=https://pl.mouser.com/ProductDetail/STMicroelectronics/STM32L552RCT6?qs=sGAEpiMZZMto2ohCYbAIUUJm%252BzcpS0IxFbqkp9%2F0sPoEpVjys%2Fepxg%3D%3D, Core="ARM Cortex-M3", D/A Converter="2x12-bit (2 Channel)", Data E2PROM nom (B)=8192, DatasheetVersion="Rev. 3", Display controller="LCD 4x18", FLASH Size (Prog) (kB)=256, Internal RAM Size (kB)=32, Mounting Technology="Surface Mount", PackageDescription="48-Pin Ultra Thin Fine Pitch Quad Flat No-Lead, 7 x 7 x 0.6 mm Body, 0.5 mm Pitch, Exposed Pad", PackageReference=UFQFPN48, PackageVersion="Rev. 1, 04/2013", Packing=Tray
U7: "Humidity and Temperature SensorIC", ComponentLink1Description=Datasheet, ComponentLink1URL=https://datasheet.lcsc.com/szlcsc/Sensirion-SHT20_C53865.pdf
U8: "Digital Pressure Sensor", ComponentLink1Description=Datasheet, ComponentLink1URL=https://datasheet.lcsc.com/szlcsc/Bosch-Sensortec-BMP280_C83291.pdf
U9: "Fully Integrated Proximity and Ambient Light Sensor withInfrared Emitter, I2C Interface, and Interrupt Function", ComponentLink1Description=Datasheet, ComponentLink1URL=https://datasheet.lcsc.com/szlcsc/Vishay-Intertech-VCNL4040M3OE_C142526.pdf
U11: "AiThinker ESP-07", ComponentLink1Description=datasheet, ComponentLink1URL=http://wiki.ai-thinker.com/_media/esp8266/esp8266_series_modules_user_manual_v1.1.pdf
U12: "step down coverter", ComponentLink1Description=datasheet, ComponentLink1URL=https://www.monolithicpower.com/en/documentview/productdocument/index/version/2/document_type/Datasheet/lang/en/sku/MP2451/document_id/253/
Y1: "XTAL 32.768KHz crystal", ComponentLink1Description=Datasheet, ComponentLink1URL=https://datasheet.lcsc.com/szlcsc/1901081604_Seiko-Epson-Q13FC1350000400_C32346.pdf, LatestRevisionDate=17-Jul-2002, LatestRevisionNote="Re-released for DXP Platform.", Published=8-Jun-2000, Publisher="Altium Limited"
Y2: library part "XTAL 8MHz", "TXC Corp 7A08000001", ComponentLink1Description=Datasheet, ComponentLink1URL=http://www.txccorp.com/download/products/quartz_crystals/2015TXC_7A_28.pdf, ComponentLink2Description=JLC, ComponentLink2URL=https://jlcpcb.com/parts/componentSearch?secondSortUuid=09f7e4779fd84e989f34c78148375bf2&name=SMD%20Crystal%20Resonators&firstSortUuid=6771ff6d5925444e85b2121d008b3ccd, LatestRevisionDate=17-Jul-2002, LatestRevisionNote="Re-released for DXP Platform.", Published=8-Jun-2000, Publisher="Altium Limited"
J1: ComponentLink1Description=octopart, ComponentLink1URL=https://octopart.com/1050170001-molex-11866487?r=sp&s=Rj0fqO-uQZ6OfaPf4COaug
P12 P13 P15 P16 P17 P18 P19 P20 P21 P22 P23 P24 P25 P26 P27 P28 P29 U10: LatestRevisionDate=17-Jul-2002, LatestRevisionNote="Re-released for DXP Platform.", Publisher="Altium Limited"

## Via types
v1: diameter 17.72, hole 7.87, Top Layer to Bottom Layer, tented both sides, 279 vias
v2: diameter 19.68, hole 7.87, Top Layer to Bottom Layer, 13 vias
v3: diameter 21.65, hole 11.81, Top Layer to Bottom Layer, 4 vias

## Nets (pads, with @x,y where several pads share a name; then routed paths per layer and width w, separated by ;. In a path a pad name is that pad's centre, name@x,y a point inside that pad or via, vN(x,y) a via of type N, cw(c..) or ccw(c..) an arc to the next point about the centre after c; other vN are vias at no path point)
1-wire: R11.2 U6.39 U10.4 | length 627.4
  Top Layer w10: U6.39@2920.28,2039.37 v1(2967.52,2039.37) ; U10.4@2963.39,2552.44 U10.4@2963.52,2552.3 ; v1(2967.66,2529.65) 2967.66,2548.16 U10.4@2963.52,2552.3 ; R11.2@3027.56,2552.17 3027.42,2552.3 U10.4@2963.52,2552.3
  Layer 1 w10: v1(2967.66,2529.65) v1@2968.5,2528.81
  Bottom Layer w10: v1(2967.52,2039.37) 2967.66,2039.52 v1(2967.66,2529.65)
24V_INPUT: C55.2 C58.2 L5.2 R59.2 U12.5 | length 92.1
  Top Layer w15: C58.2@666.34,2465.75 C58.2@668.11,2467.52 C58.2@683.86,2483.27
  Top Layer w20: L5.2@779.53,2513.78 780.02,2513.29 780.02,2447.34 R59.2@780.51,2446.85
+3.3V: C1.2 C2.2 C4.2 C9.2 C10.1 C11.2 C12.1 C13.2 C14.1 C15.2 C16.1 C17.2 C24.2 C25.2 C30.1 C36.2 C37.2 C39.2 C60.2 D7.1 L1.1 L6.2 P4.1 P8.1 P16.1 P30.3 Q1.2 Q2.2 Q4.2 Q6.2 Q8.4 Q11.4 Q12.2 R6.2 R10.2 R11.1 R23.2 R27.2 R28.2 R33.2 R34.2 R37.2 R38.2 R39.2 R44.2 R45.2 R49.2 R50.2 R51.2 R52.2 R53.2 R54.2 R56.2 R57.2 U1.8 U2.8 U6.1 U6.19 U6.32 U6.48 U6.64 U8.2 U8.6 U9.4 U10.3 | length 3310.6
  Top Layer w6: U2.8@1142.72,1752.95 1153.54,1742.13 v1(1207.68,1742.13) ; Q8.4@1935.24,1411.02 Q8.4@1935.63,1411.42 ; v1(2300.39,1356.11) 2300.88,1356.61 2300.88,1408.56 Q11.4@2302.76,1410.43 ; v1(2919.09,2477.44) 2944.35,2502.7 U10.3@2963.64,2502.7
  Top Layer w10: v1(1004.92,1038.39) C60.2@1004.92,1005.91 L6.2@1071.85,1005.91 L6.2@1089.49,988.27 ; v1(1035.43,1954.72) R34.2@1066.93,1954.72 ; R44.2@1106.3,1237.2 v1(1106.3,1277.56) ; v1(1137.8,2977.36) R51.2@1137.83,3019.61 ; R52.2@1137.83,2934.27 v1@1137.83,2977.33 ; R50.2@1163.15,510.44 1164.33,511.62 v1(1191.81,511.62) ; C25.2@1274.61,991.14 v1(1274.61,1063.98) ; v1(1401.87,1250.26) 1422.06,1230.08 1435.77,1230.08 R33.2@1436.78,1231.09 ; v1(1903.54,1410.43) 1934.65,1410.43 Q8.4@1935.24,1411.02 ; R54.2@1953.8,2741.14 1954.26,2741.6 1954.26,2783.99 v1(1954.72,2784.45) ; R57.2@2062.01,2567.91 2062.5,2568.41 2093.01,2568.41 v1(2093.5,2568.9) ; v1(2101.44,2780.46) 2131.97,2780.46 2139.76,2788.26 Q1.2@2139.76,2797.24 ; L1.1@2299.21,1959.65 L1.1@2312.99,1973.43 ; v1(2454.78,1661.37) 2455.15,1661 2513.41,1661 U1.8@2513.78,1660.63 ; R37.2@2456.79,861.54 2457.77,861.54 2489.58,829.72 Q2.2@2517.1,829.72 2516.73,829.35 2527.93,829.35 2553.15,804.13 v1(2553.15,773.62) 2553.15,763.78 2573.28,743.65 2573.28,732.2 U8.6@2575.17,730.31 ; C17.2@2462.6,2389.76 C30.1@2462.6,2343.5 2462.6,2217.37 2463.43,2216.54 U6.1@2471.46,2216.54 2471.8,2216.88 2517.19,2216.88 v1(2517.78,2217.47) ; v1(2485.43,1088.39) 2486.31,1087.5 2521.75,1087.5 C39.2@2522.64,1086.61 ; v1(2540.54,1254.73) 2581.18,1254.73 Q4.2@2584.65,1251.27 ; v1(2548.29,2247) 2548.26,2293.28 2548.35,2293.43 2548.35,2360.47 C14.1@2548.46,2360.59 ; C14.1@2548.46,2360.59 C13.2@2548.48,2406.83 ; v1(2585.63,1889.76) 2585.63,1887.68 2587.25,1886.05 2587.25,1844.83 U6.19@2587.6,1844.49 2587.6,1777.56 C12.1@2589.57,1775.59 C11.2@2589.57,1733.27 ; v1(2654.59,2502.91) R23.2@2686,2502.93 ; R27.2@2766.73,1646.65 2767.75,1645.64 2767.75,1609.23 v1(2768.76,1608.22) ; U6.32@2843.5,1844.49 2843.5,1778.07 C15.2@2844.21,1777.36 C16.1@2844.21,1730.12 ; U6.32@2843.5,1844.49 v1@2843.53,1890.67 ; v1(2874.07,2217.47) 2874.67,2216.88 2919.93,2216.88 U6.48@2920.28,2216.54 2920.62,2216.19 2991.49,2216.19 C10.1@2992.13,2215.55 ; v1(2926.29,981.19) 2926.29,942.63 Q6.2@2924.49,940.83 2935.32,940.83 2967.88,908.27 2980.68,908.27 2986.5,902.45 R39.2@2986.5,901.46 ; C10.1@2992.13,2216.54 C10.1@2992.13,2216.93 ; C10.1@2992.62,2213.09 2992.13,2213.58 2994.59,2216.04 3038.88,2216.04 C9.2@3039.37,2216.54 ; R11.1@3027.56,2587.6 3028.05,2587.11 3071.36,2587.11 v1(3071.85,2586.61) ; C9.2@3031.99,2213.09 C9.2@3032.48,2212.6 ; R28.2@3077.79,484.22 v1@3112.13,484.22 ; P30.3@3154.52,2452.44 P30.3@3164.37,2452.44 3163.39,2453.43 3163.39,2532.48 R45.2@3162.4,2533.46
  Top Layer w15: C24.2@1372.05,687.99 C24.2@1375,687.99 ; R33.2@1436.78,1231.09 R33.2@1438.23,1229.64 ; R54.2@1953.8,2741.14 1954.29,2740.65 1954.29,2662.89 R53.2@1954.78,2662.4 ; R37.2@2456.79,861.54 R37.2@2457.77,861.54 ; U1.8@2513.78,1660.63 2586.81,1660.63 C2.2@2588.58,1662.4 C1.2@2588.58,1612.2 ; C39.2@2522.64,1086.61 U9.4@2579.72,1086.61 ; R10.2@2541.34,1734.25 2541.83,1733.76 2589.07,1733.76 C11.2@2589.57,1733.27 ; Q4.2@2579.35,1243.67 2584.65,1248.96 Q4.2@2584.65,1251.27 2588.44,1255.07 2588.44,1297.39 2601.99,1310.93 2601.99,1311.92 2605.31,1315.24 R38.2@2606.3,1315.24 ; U8.2@2600.15,667.93 U8.2@2600.76,667.32 2600.27,666.83 2600.27,614.67 2600.22,614.61 2600.3,614.53 2631.48,614.53 v1(2632,615.05) ; U10.3@2963.64,2502.7 3027.3,2502.7 C37.2@3027.56,2502.95
  Bottom Layer w6: R56.2@1540.35,2722.44 1541.34,2723.43 v1(1583.66,2723.43)
  Bottom Layer w10: D7.1@1003.94,1083.46 1004.92,1082.48 v1(1004.92,1038.39) ; R49.2@1163.39,509.84 1164.27,510.73 1190.92,510.73 v1(1191.81,511.62) ; v1(1274.61,1063.98) P16.1@1274.61,1129.92 1364.17,1129.92 1388.78,1154.53 R6.2@1388.78,1155.51 ; Q12.2@1472.44,2701.77 1473.43,2700.79 1519.68,2700.79 1540.35,2721.46 R56.2@1540.35,2722.44 R56.2@1542.37,2720.43
  Bottom Layer w15: R6.2@1388.29,1156.99 R6.2@1388.78,1157.48
  other v1: 3112.16,484.19 1299.41,649.8 1298.42,680.31 1298.42,710.82 2843.56,1890.7 2266.1,1900.32 2265.86,1940.06 2267.09,1971.18
+P_24V: P6.1 R13.2 R19.2 | length 127.8
  Top Layer w20: v1(1969.49,871.06) 1979.76,871.06 2012.24,903.54 R13.2@2012.24,909.45 ; R19.2@2260.39,917.32 2260.39,911.42 2275.59,911.42 v1(2307.09,879.92)
A7_LED: D13.1 U2.3 | length 195.6
  Top Layer w10: D13.1@996.06,2146.65 1000.98,2146.65 1119.09,2028.54 U2.3@1142.72,2028.54
ADC1_IN1: R32.1 R36.2 U6.8 | length 2155.2
  Top Layer w6: R32.1@1542.72,537.4 1713.58,708.27 1713.58,1301.66 2013.78,1601.85 2013.78,1931.99 2067.03,1985.24 v1(2126.97,1985.24) ; v1(2371.18,2067.03) 2382.89,2078.74 U6.8@2471.46,2078.74
  Top Layer w20: R36.2@1495.08,534.45 R36.2@1495.37,534.15 ; R36.2@1496.06,537.4 R32.1@1542.72,537.4
  Bottom Layer w6: v1(2126.97,1985.24) 2212.12,1985.24 2293.92,2067.03 v1(2371.18,2067.03)
ADC2_IN1: R40.1 R42.2 U6.9 | length 2100.8
  Top Layer w6: R40.1@1642.72,537.4 1642.72,601.38 1728.35,687.01 1728.35,1299.45 2029.9,1601.01 2029.9,1931.14 2064.31,1965.55 v1(2098.43,1965.55) ; v1(2396.65,2049.21) 2406.5,2059.05 U6.9@2471.46,2059.05
  Top Layer w20: R42.2@1590.55,537.4 R40.1@1642.72,537.4
  Bottom Layer w6: v1(2098.43,1965.55) 2209.41,1965.55 2293.03,2049.17 2396.61,2049.17 v1(2396.65,2049.21)
ADC2_IN2: R41.1 R43.2 U6.10 | length 2037.1
  Top Layer w6: R41.1@1742.72,537.4 1742.72,1296.85 2040.35,1594.49 2041.9,1596.03 2041.9,1917.88 v1(2070.87,1946.85) ; v1(2372.05,2030.51) 2439.55,2030.51 2448.41,2039.37 U6.10@2471.46,2039.37
  Top Layer w20: R43.2@1690.94,535.43 1690.94,535.59 1691.77,536.42 1741.89,536.42 1742.72,537.24 R41.1@1742.72,537.4
  Bottom Layer w6: v1(2070.87,1946.85) 2207.68,1946.85 2272.64,2011.81 2344.49,2011.81 2363.19,2030.51 v1(2372.05,2030.51)
BAT_IRQ: R6.1 U5.4 U6.61 | length 3032
  Top Layer w6: U5.4@676.18,470.47 678.17,472.46 v1(731.33,472.46) ; U6.61@2607.28,2293.31 2609.25,2291.34 v1(2609.25,2158.46)
  Layer 1 w6: v1(731.33,472.46) v1@733.29,472.46
  Bottom Layer w6: v1(731.33,472.46) 731.49,472.62 749.19,472.62 776.57,500 776.57,537.4 927.17,687.99 970.47,687.99 1051.04,768.56 1051.04,997.82 1246.13,1192.91 R6.1@1388.78,1192.91 1784.21,1192.91 2371.01,1779.72 2411.37,1779.72 2609.25,1977.6 v1(2609.25,2158.46)
BMP_EN: P26.1 Q5.1 R66.2 U6.40 | length 1856.5
  Top Layer w6: v1(2871.06,1500.98) 2870.92,1501.13 2870.92,2036.28 2893.7,2059.05 U6.40@2920.28,2059.05
  Top Layer w15: Q5.1@2418.68,657.48 2423.97,652.18 2423.97,626.59 2456.08,594.49 R66.2@2457.06,594.49 v1(2457.06,633.86)
  Bottom Layer w6: P26.1@2456.08,691.93 2633.86,691.93 2677.17,735.24 2677.17,778.54 2871.06,972.44 v1(2871.06,1500.98)
  Bottom Layer w15: P26.1@2456.08,691.93 2457.06,690.95 v1(2457.06,633.86)
BOOT: C50.2 P14.1 R54.1 U11.12 | length 589.6
  Top Layer w15: C50.2@1919.35,2791.34 1918.86,2790.85 1918.86,2741.63 R54.1@1918.37,2741.14 1829.91,2741.14 U11.12@1829.72,2741.32 1802.17,2741.32 1746.06,2797.42 1746.06,2830.3 1777.45,2861.68 1912.86,2861.68 P14.1@1983.27,2932.09 P14.1@1961.24,2954.11
BOOT_DBG_RX: P10.1 U6.43 | length 944.1
  Top Layer w6: U6.43@2920.28,2118.11 2943.32,2118.11 3043.17,2018.27 v1(3043.17,1948.96)
  Bottom Layer w6: v1(3043.17,1948.96) 3043.45,1948.68 3043.45,1604.19 3110.24,1537.4 3110.24,1335.83 P10.1@3159.45,1286.61
BOOT_DBG_TX: P10.2 U6.42 | length 1024.6
  Top Layer w6: U6.42@2920.28,2098.43 2943.32,2098.43 3025.59,2016.16 3025.59,1975.99 3025.31,1975.7 v1(3025.31,1915.25)
  Bottom Layer w6: v1(3025.31,1915.25) 3025.31,1594.77 3095.47,1524.61 3095.47,1250.59 P10.2@3159.45,1186.61
CHARGER: C18.2 C29.2 C64.2 C65.2 D2.1 D4.1 D5.1 D6.1 L2.2 P18.1 R63.1 U4.1 U4.2 | length 566.4
  Top Layer w10: v1(488.19,702.76) 488.19,722.52 505.83,740.16 L2.2@505.91,740.16 521.65,724.41 C29.2@521.65,675.2 522.15,674.7 522.15,628.05 522.24,627.95 C18.2@522.64,627.95 v1(556.1,627.95) ; C64.2@653.54,837.6 651.57,835.63 C64.2@654.53,835.63 ; C65.2@845.47,835.63 C65.2@890.67,790.43 ; v1(924.21,653.54) R63.1@924.21,687.99
  Bottom Layer w10: v1(488.19,702.76) 488.19,660.43 P18.1@501.97,646.65 P18.1@520.67,627.95 ; D2.1@507.87,974.41 584.65,974.41 585.63,973.43 v1(631.89,973.43) ; v1(588.58,764.76) 637.8,764.76 D5.1@639.76,766.73
  other v1: 923.72,605.81 556.1,651.57 916.34,795.28 724.41,799.21 915.35,818.9 724.41,823.82 915.35,843.5 724.41,849.41 832.18,854.82 915.35,870.08 724.41,872.05
DC/DC: C28.2 C56.2 D8.2 D10.2 D17.2 L2.1 P17.1 P19.1 R60.2 | length 429
  Top Layer w10: L2.1@502.95,812.01 L2.1@505.91,809.06 ; C28.2@502.95,868.11 506.4,871.55 546.75,871.55 v1(548.23,873.03) ; v1(773.62,1191.93) 774.61,1192.91 774.61,1237.2 D8.2@775.59,1238.19
  Top Layer w20: D17.2@976.38,1965.55 P19.1@976.38,2057.09 ; v1(989.17,2290.35) 989.17,2382.87 cw(c990.16,2382.87) R60.2@990.16,2383.86
  Layer 1 w10: v1@770.02,1192.79 v1(773.62,1191.93)
  Bottom Layer w10: v1(686.02,1515.75) 686.52,1516.24 686.52,1561.52 D10.2@687.01,1562.01
  Bottom Layer w20: v1(773.62,1191.93) P17.1@868.11,1191.93
  other v1: 961.61,2041.34 998.03,2042.32 999.02,2073.82 961.61,2075.79